# KiCad board mainboard.kicad_pcb
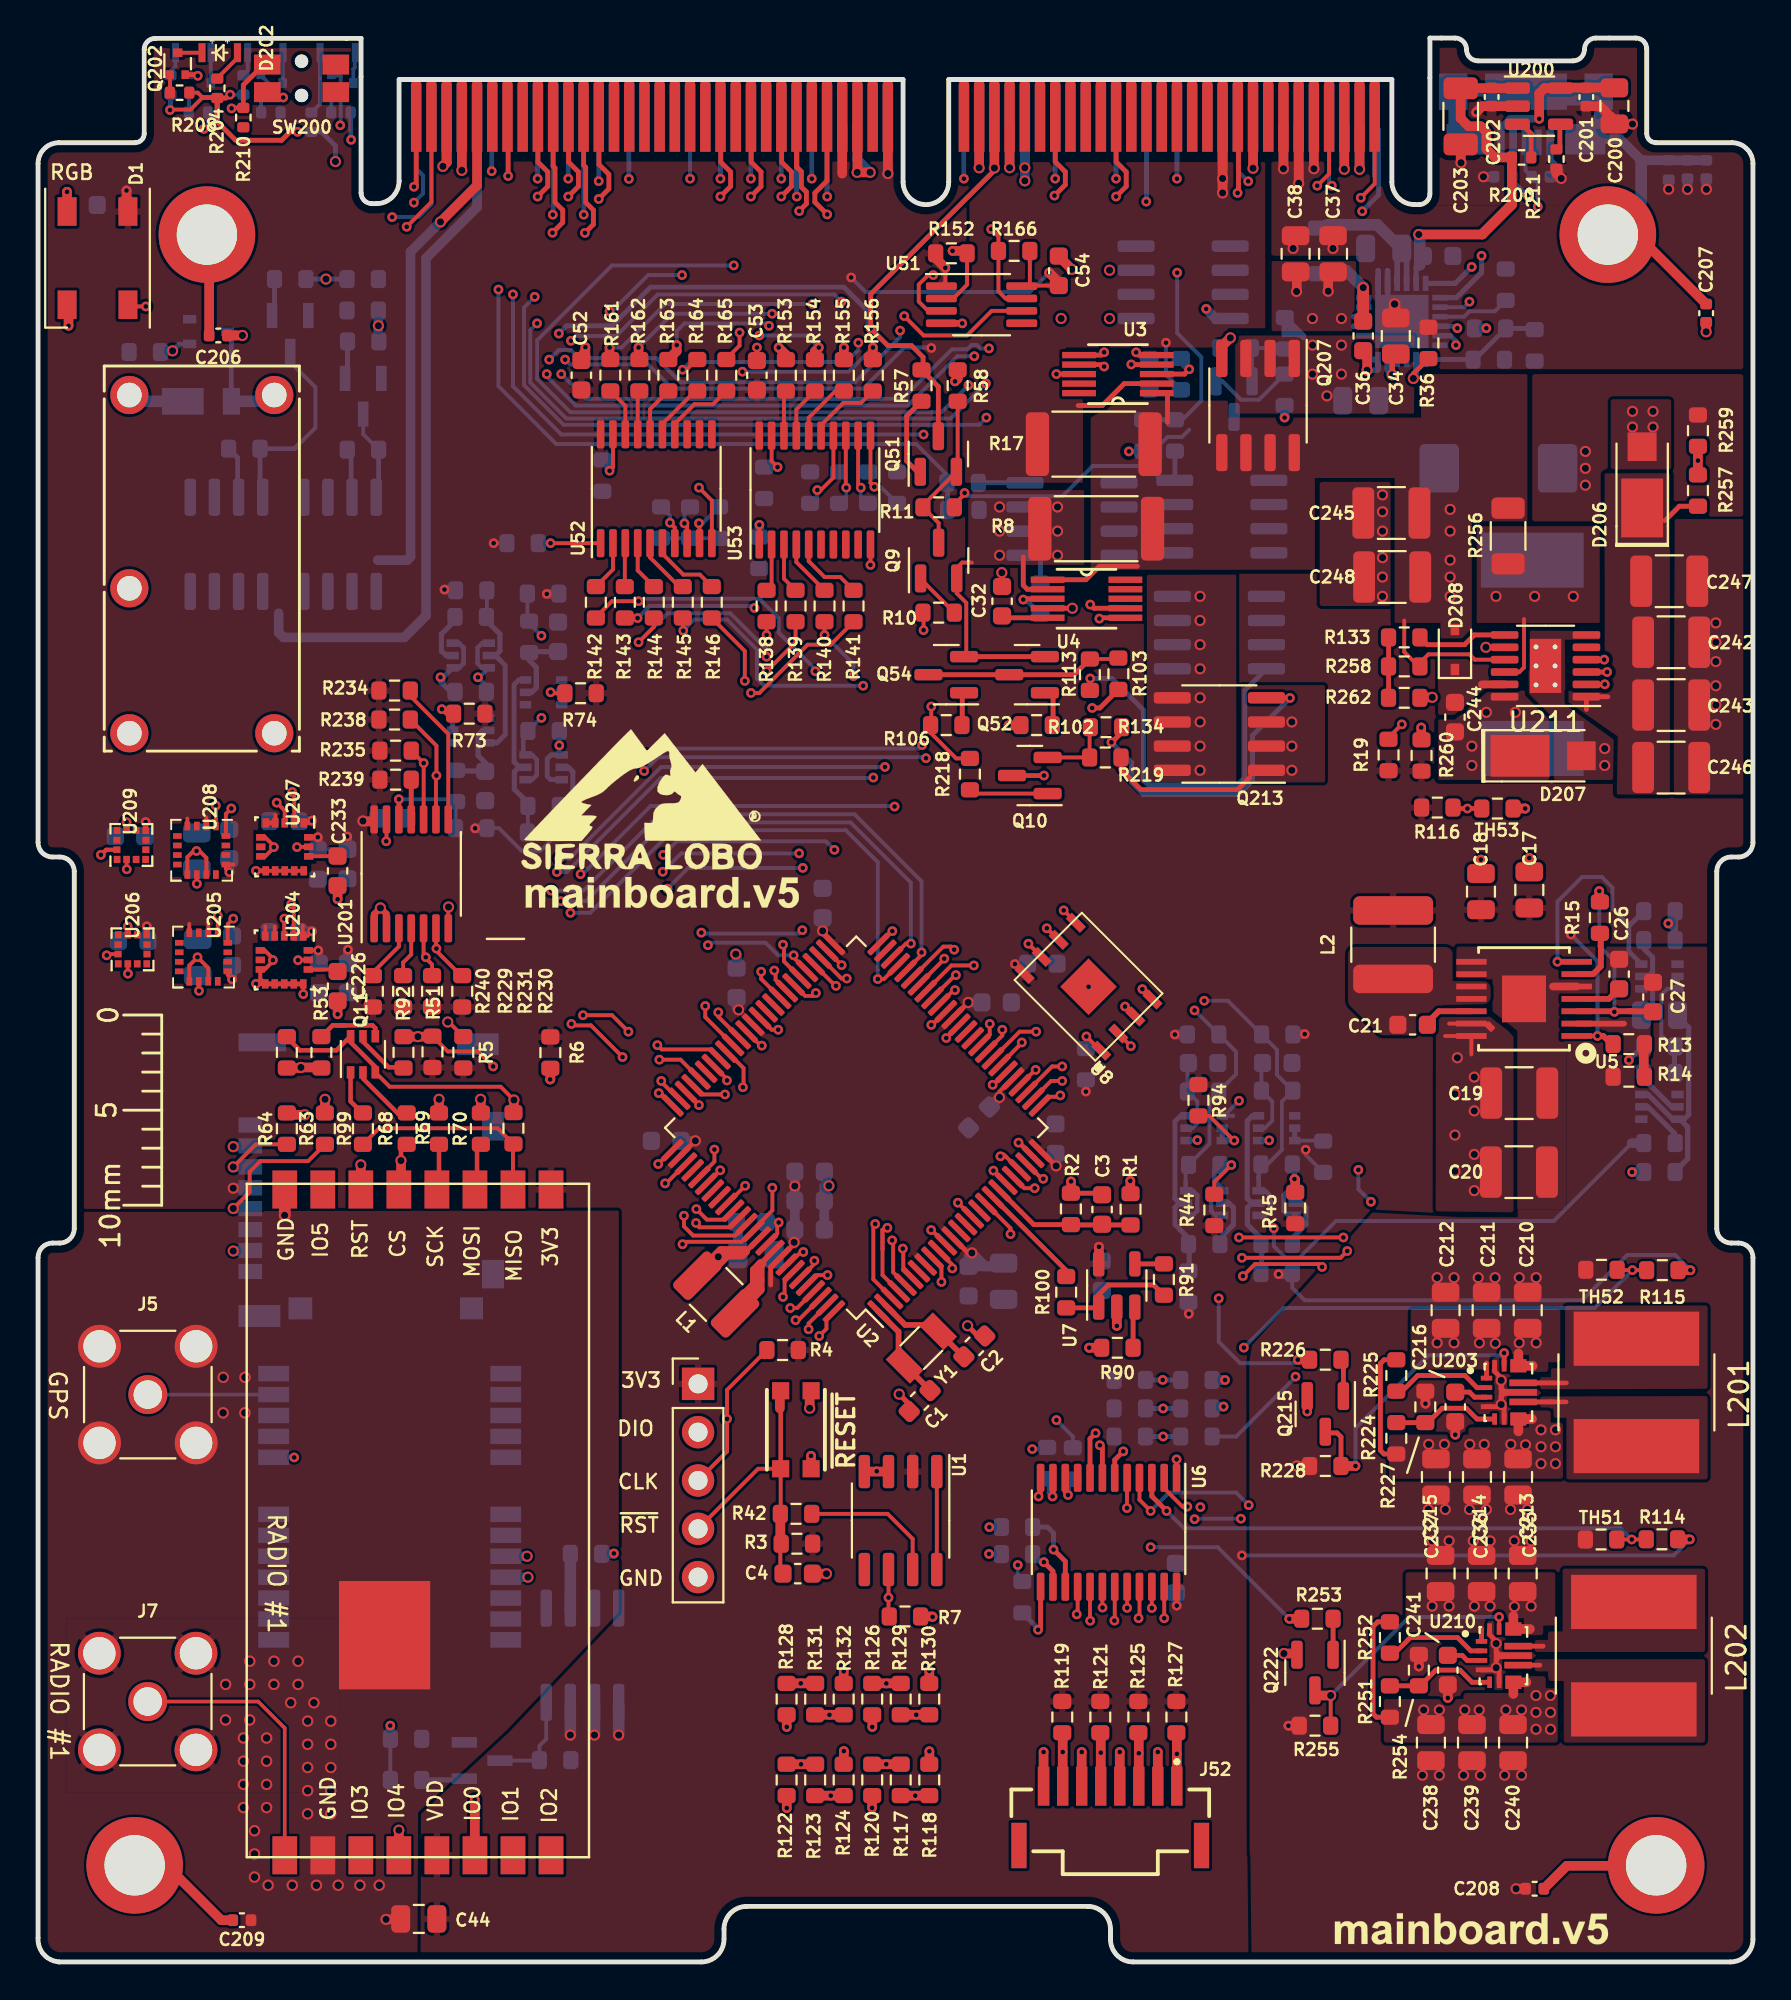
[diagram p0: board, top side]
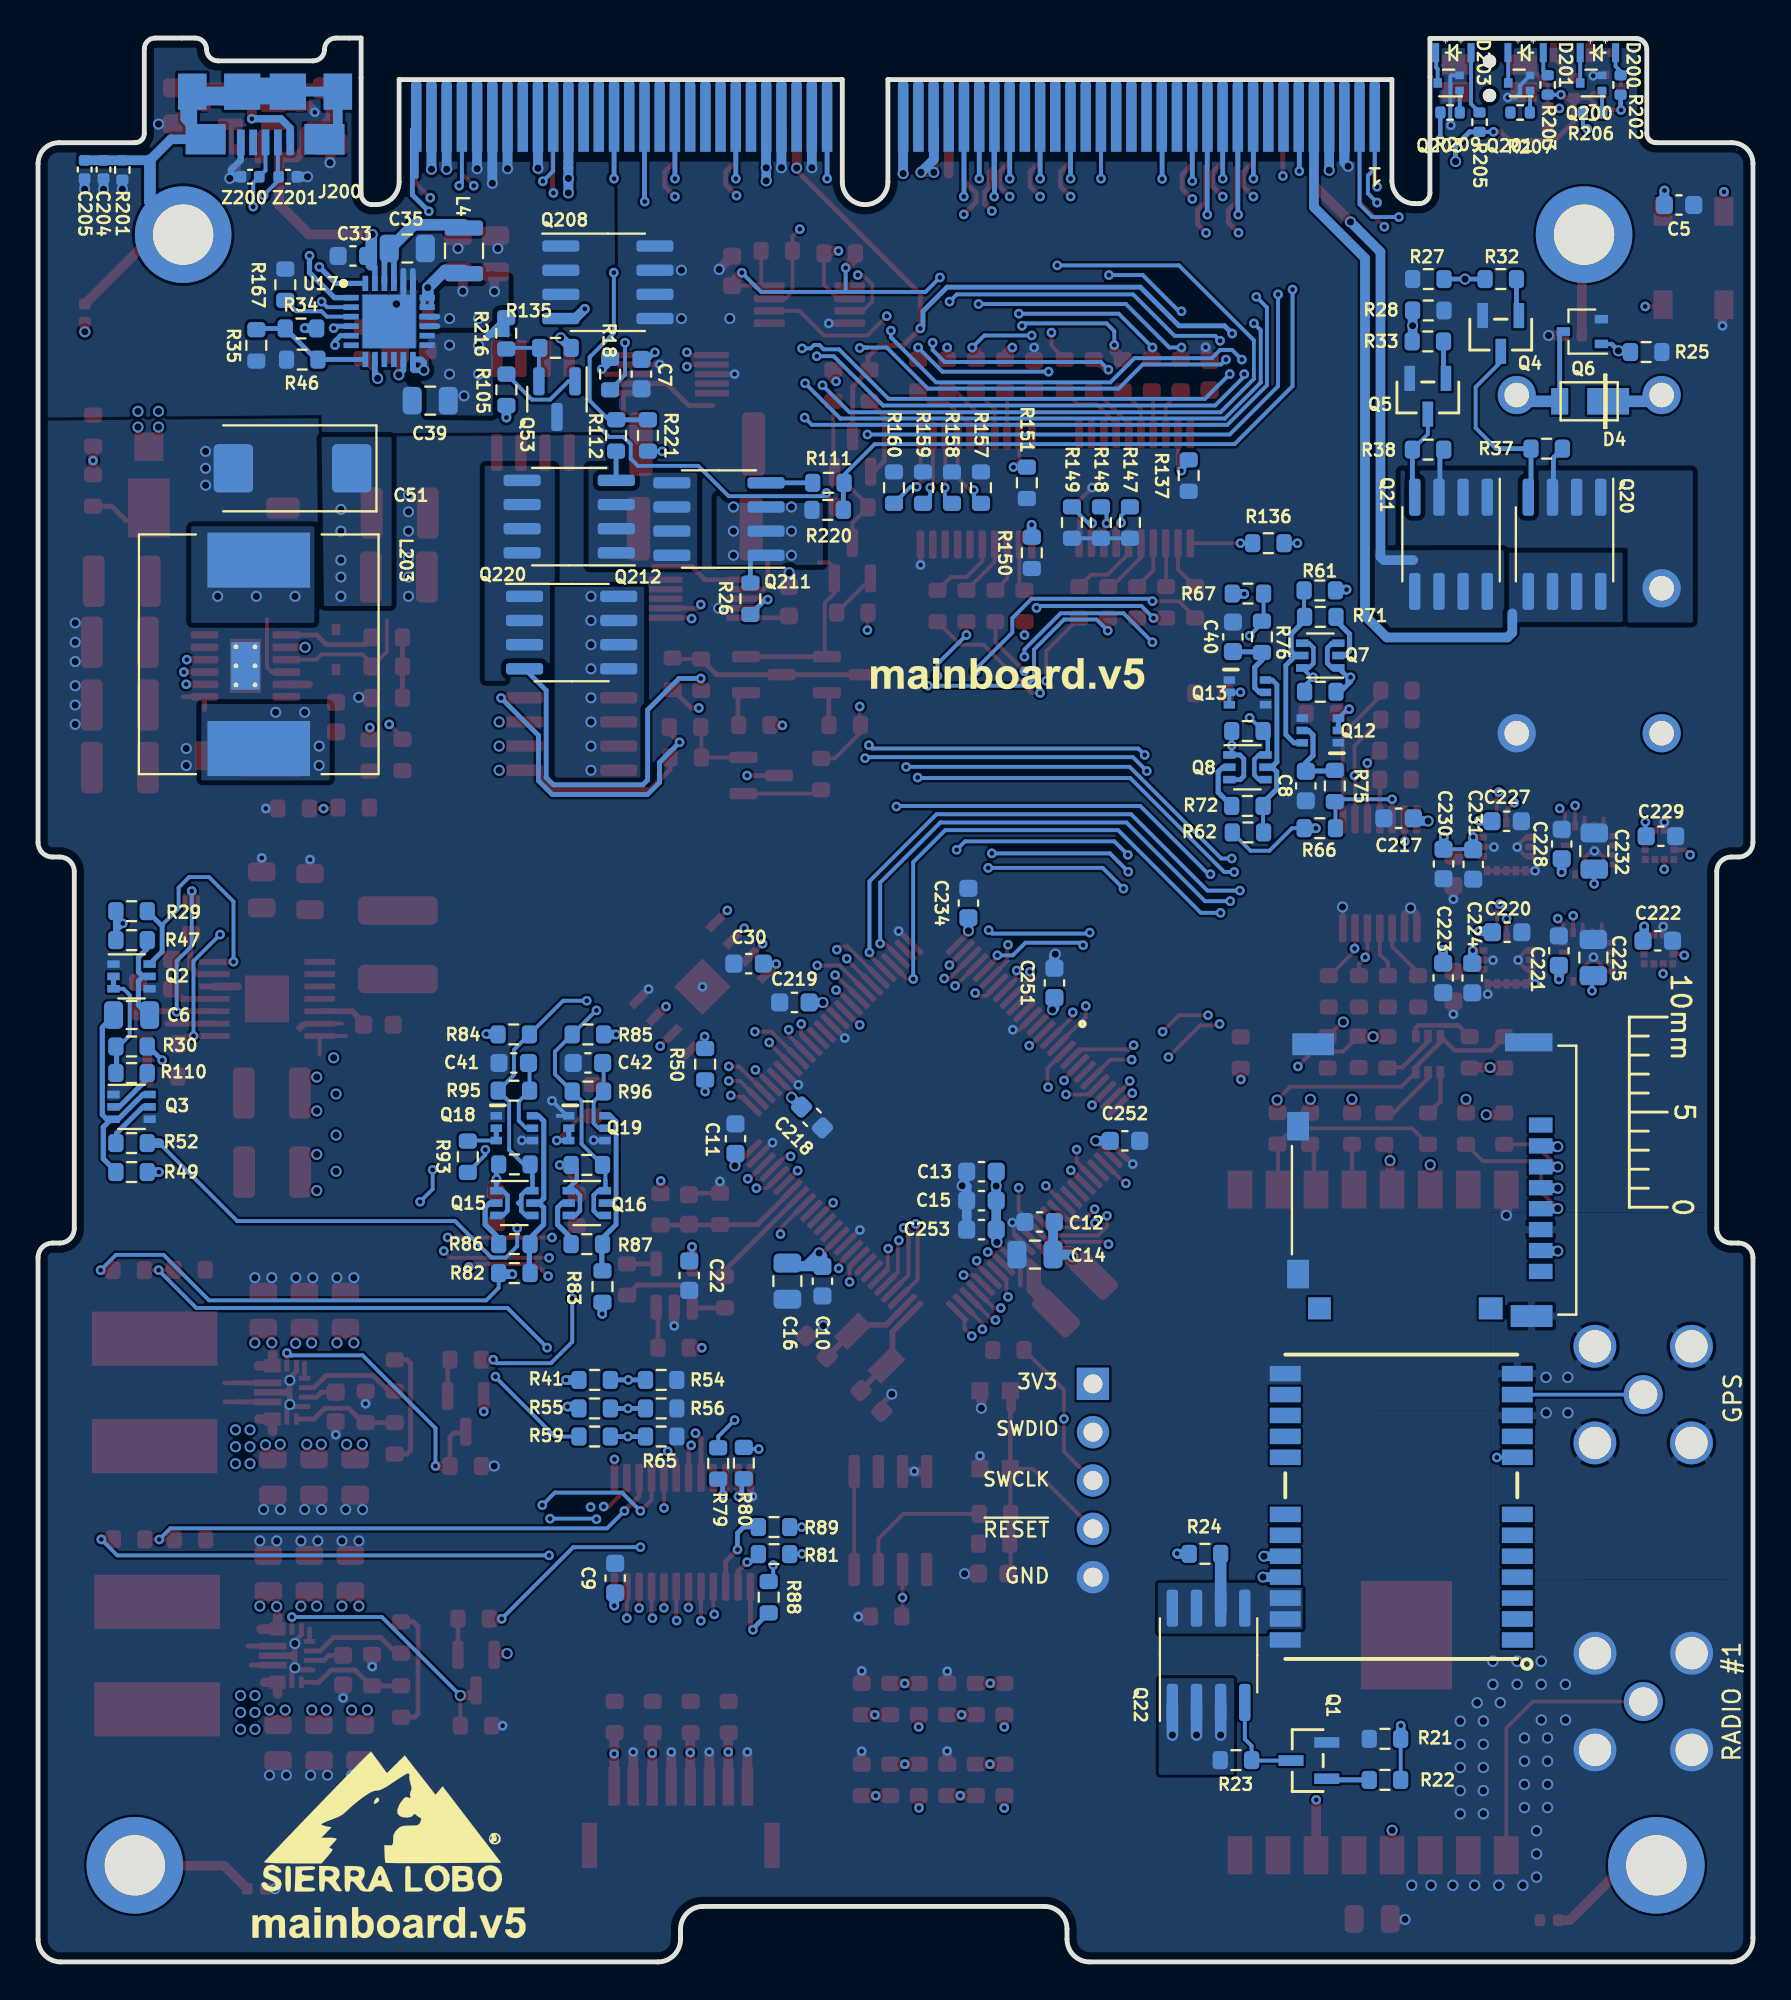
[diagram p1: board, bottom side, seen from below]

Outline 90.17 x 101.14 mm; copper layers: Top, In1.Cu, In2.Cu, In3.Cu, In4.Cu, Bottom. Coordinates in mm from the lower left corner of the outline.
Outline path: 0,94.54 arc(0.32,95.32) 1.1,95.64 5.1,95.64 arc(5.44,95.78) 5.58,96.13 5.58,100.55 arc(5.75,100.96) 6.16,101.13 16.98,101.13 16.98,99.11 16.98,93.01 arc(17.15,92.61) 17.56,92.44 17.78,92.44 arc(18.63,92.79) 18.98,93.64 18.98,98.96 45.48,98.96 45.48,93.59 arc(46.68,92.39) 47.88,93.59 47.88,98.96 71.18,98.96 71.18,93.59 arc(71.54,92.74) 72.38,92.39 72.61,92.39 arc(73.02,92.56) 73.18,92.96 73.18,99.06 73.18,101.14 74.51,101.14 arc(74.93,100.97) 75.11,100.54 arc(75.28,100.12) 75.71,99.94 80.71,99.94 arc(81.13,100.12) 81.31,100.54 arc(81.48,100.97) 81.91,101.14 84.02,101.14 arc(84.42,100.98) 84.58,100.58 84.58,96.13 arc(84.73,95.78) 85.07,95.64 89.07,95.64 arc(89.85,95.32) 90.17,94.54 90.17,58.85 arc(89.95,58.31) 89.41,58.09 89.03,58.09 arc(88.49,57.87) 88.27,57.33 88.27,38.56 arc(88.49,38.02) 89.03,37.8 89.41,37.8 arc(89.95,37.57) 90.17,37.03 90.17,1.19 arc(89.82,0.35) 88.98,0 57.58,0 arc(56.74,0.35) 56.39,1.19 56.39,1.73 arc(56.04,2.57) 55.19,2.92 37.26,2.92 arc(36.42,2.57) 36.07,1.73 36.07,1.19 arc(35.72,0.35) 34.87,0 1.12,0 arc(0.3,0.4) 0,1.27 0,37.03 arc(0.22,37.57) 0.76,37.8 1.14,37.8 arc(1.68,38.02) 1.9,38.56 1.9,57.33 arc(1.68,57.87) 1.14,58.09 0.76,58.09 arc(0.22,58.31) 0,58.85 0,94.54
Stack: Top 0.035mm / dielectric 0.274mm 2116 er 0 / In1.Cu 0.035mm / dielectric 0.274mm FR408-HR er 3.69 / In2.Cu 0.035mm / dielectric 0.274mm 2116 er 0 / In3.Cu 0.035mm / dielectric 0.274mm FR408-HR er 3.69 / In4.Cu 0.035mm / dielectric 0.274mm 2116 er 3.69 / Bottom 0.035mm

## Placement (name value [footprint] x y rotation side)
C1  8pF  [C_0603_1608Metric]  46.36 29.49 225 top
C2  8pF  [C_0603_1608Metric]  49.23 32.36 45 top
C3  0.1uF  [C_0603_1608Metric]  55.95 39.56 90 top
C4  1uF  [C_0603_1608Metric]  39.95 20.42 180 top
C5  0.1uF  [C_0603_1608Metric]  3.89 92.37 180 bottom
C6  10uF  [C_0805_2012Metric]  85.25 49.78 180 bottom
C7  3.3nF  [C_0603_1608Metric]  58.44 83.48 90 bottom
C8  10nF  [C_0603_1608Metric]  23.51 61.82 270 bottom
C9  0.1uF  [C_0603_1608Metric]  59.82 20.18 90 bottom
C10  0.1uF  [C_0603_1608Metric]  48.93 35.79 270 bottom
C11  0.1uF  [C_0603_1608Metric]  53.5 43.28 90 bottom
C12  1uF  [C_0603_1608Metric]  37.51 38.9 180 bottom
C13  1uF  [C_0603_1608Metric]  40.57 41.55 0 bottom
C14  10uF  [C_0805_2012Metric]  37.75 37.19 0 bottom
C15  1uF  [C_0603_1608Metric]  40.57 40.02 0 bottom
C16  10uF  [C_0805_2012Metric]  50.77 35.79 270 bottom
C17  22uF  [C_0805_2012Metric]  78.41 56.36 270 top
C18  22uF  [C_0805_2012Metric]  75.87 56.27 270 top
C19  100uF  [C_1210_3225Metric]  77.88 45.68 0 top
C20  100uF  [C_1210_3225Metric]  77.86 41.52 0 top
C21  0.1uF  [C_0603_1608Metric]  72.27 49.27 0 top
C22  0.1uF  [C_0603_1608Metric]  55.93 36.08 270 bottom
C26  3.3nF  [C_0603_1608Metric]  83.13 51.94 90 top
C27  1uF  [C_0603_1608Metric]  84.91 50.73 90 top
C30  0.1uF  [C_0603_1608Metric]  52.81 52.48 0 bottom
C32  3.3nF  [C_0603_1608Metric]  50.69 71.54 270 top
C33  1uF  [C_0603_1608Metric]  73.61 89.69 180 bottom
C34  4.7uF  [C_0805_2012Metric]  71.39 85.48 90 top
C35  10uF  [C_0805_2012Metric]  70.76 90.08 0 bottom
C36  47nF  [C_0603_1608Metric]  69.68 85.48 270 top
C37  22uF  [C_0805_2012Metric]  68.09 89.8 270 top
C38  22uF  [C_0805_2012Metric]  66.12 89.8 270 top
C39  10uF  [C_0805_2012Metric]  69.55 82.08 180 bottom
C40  10nF  [C_0603_1608Metric]  27.34 69.67 90 bottom
C41  10nF  [C_0603_1608Metric]  65.16 47.26 0 bottom
C42  10nF  [C_0603_1608Metric]  61.26 47.26 0 bottom
C44  10uF  [C_0805_2012Metric]  20.02 2.26 0 top
C51  100uF  [CP_EIA-7343-43_Kemet-X]  76.79 78.52 0 bottom
C52  0.1uF  [C_0603_1608Metric]  28.57 83.42 90 top
C53  0.1uF  [C_0603_1608Metric]  37.8 83.41 90 top
C54  0.01uF  [C_0603_1608Metric]  53.67 88.91 90 top
C200  10uF  [C_0805_2012Metric]  82.88 97.58 270 top
C201  0.1uF  [C_0402_1005Metric]  81.41 98.04 270 top
C202  0.1uF  [C_0402_1005Metric]  76.43 98.04 270 top
C203  47uF  [C_1206_3216Metric]  74.8 97.03 270 top
C204  0.1uF  [C_0402_1005Metric]  86.73 94.23 270 bottom
C205  1nF  [C_0402_1005Metric]  87.72 94.23 270 bottom
C206  0.1uF  [C_0402_1005Metric]  9.48 85.51 180 top
C207  0.1uF  [C_0402_1005Metric]  87.71 86.68 90 top
C208  0.1uF  [C_0402_1005Metric]  78.69 3.85 0 top
C209  0.1uF  [C_0402_1005Metric]  10.72 2.2 180 top
C210  10uF  [C_0805_2012Metric]  78.33 34.26 90 top
C211  10uF  [C_0805_2012Metric]  76.17 34.26 90 top
C212  10uF  [C_0805_2012Metric]  74.01 34.26 90 top
C213  22uF  [C_0805_2012Metric]  77.82 25.5 270 top
C214  22uF  [C_0805_2012Metric]  75.66 25.5 270 top
C215  22uF  [C_0805_2012Metric]  73.5 25.5 270 top
C216  0.1uF  [C_0603_1608Metric]  74.52 29.18 90 top
C217  0.1uF  [C_0603_1608Metric]  18.63 60.13 0 bottom
C218  0.1uF  [C_0603_1608Metric]  49.47 44.4 225 bottom
C219  0.1uF  [C_0603_1608Metric]  50.4 50.44 0 bottom
C220  10nF  [C_0603_1608Metric]  12.92 54.13 180 bottom
C221  1uF  [C_0603_1608Metric]  10.21 53.17 90 bottom
C222  1uF  [C_0603_1608Metric]  5.01 53.69 180 bottom
C223  2.2uF  [C_0603_1608Metric]  16.29 51.73 270 bottom
C224  0.1uF  [C_0603_1608Metric]  14.76 51.73 270 bottom
C225  10uF  [C_0805_2012Metric]  8.39 52.8 90 bottom
C226  0.47uF  [C_0603_1608Metric]  15.75 51.3 270 top
C227  10nF  [C_0603_1608Metric]  12.95 59.97 180 bottom
C228  1uF  [C_0603_1608Metric]  10.06 58.77 90 bottom
C229  1uF  [C_0603_1608Metric]  4.84 59.18 180 bottom
C230  2.2uF  [C_0603_1608Metric]  16.27 57.72 270 bottom
C231  0.1uF  [C_0603_1608Metric]  14.71 57.7 270 bottom
C232  10uF  [C_0805_2012Metric]  8.34 58.41 90 bottom
C233  0.47uF  [C_0603_1608Metric]  15.75 57.36 270 top
C234  0.1uF  [C_0603_1608Metric]  41.25 55.67 90 bottom
C235  10uF  [C_0805_2012Metric]  78.06 20.42 90 top
C236  10uF  [C_0805_2012Metric]  75.9 20.42 90 top
C237  10uF  [C_0805_2012Metric]  73.75 20.42 90 top
C238  22uF  [C_0805_2012Metric]  73.24 11.53 270 top
C239  22uF  [C_0805_2012Metric]  75.4 11.53 270 top
C240  22uF  [C_0805_2012Metric]  77.56 11.53 270 top
C241  0.1uF  [C_0603_1608Metric]  74.13 15.34 90 top
C242  10uF  [C_1210_3225Metric]  85.87 69.38 0 top
C243  10uF  [C_1210_3225Metric]  85.87 66.08 0 top
C244  1uF  [C_0603_1608Metric]  74.5 65.44 90 top
C245  10uF  [C_1210_3225Metric]  71.16 76.17 180 top
C246  10uF  [C_1210_3225Metric]  85.87 62.79 0 top
C247  10uF  [C_1210_3225Metric]  85.77 72.59 0 top
C248  10uF  [C_1210_3225Metric]  71.2 72.81 180 top
C251  0.1uF  [C_0603_1608Metric]  36.73 51.47 90 bottom
C252  0.1uF  [C_0603_1608Metric]  33.02 43.17 180 bottom
C253  0.1uF  [C_0603_1608Metric]  40.57 38.5 0 bottom
D1  WS2812B  [LED_WS2812B_PLCC4_5.0x5.0mm_P3.2mm]  3.13 89.57 270 top
D4  DFLS130L  [PWRDI-123]  8.71 82.05 0 bottom
D200  RED  [APA2107x]  8.15 100.38 270 bottom
D201  YELLOW  [APA2107x]  11.95 100.38 270 bottom
D202  GREEN  [APA2107x]  9.55 100.38 270 top
D203  ORANGE  [APA2107x]  15.75 100.38 270 bottom
D206  V4PAL45HM3_A/I  [SMPA]  84.34 77.65 90 top
D207  V4PAL45HM3_A/I  [SMPA]  79.14 63.41 0 top
D208  1N4148WSTR  [D_SOD-323]  74.5 69 90 top
G***  LOGO  [sierra_logo]  31.7 61.13 0 top
G***#2  LOGO  [sierra_logo]  72.14 7.38 180 bottom
H200  MountingHole_Pad  [125mil_hole]  8.88 90.81 90 top
H201  SLI-Backplane-Blank-Card-KiCad:125mil_hole  [125mil_hole]  82.54 90.81 0 top
H202  SLI-Backplane-Blank-Card-KiCad:125mil_hole  [125mil_hole]  85.08 5.08 0 top
H203  SLI-Backplane-Blank-Card-KiCad:125mil_hole  [125mil_hole]  5.08 5.08 0 top
J1  503182-1852  [MOLEX_503182-1852]  17.52 41.1 270 bottom
J2  Conn_01x05  [PinHeader_1x05_P2.54mm_Vertical]  34.7 30.39 0 top
J5  Amphenol_901-144  [SMA_Amphenol_901-144_Vertical]  5.77 29.83 0 top
J7  Amphenol_901-144  [SMA_Amphenol_901-144_Vertical]  5.76 13.69 0 top
J52  T1M-08-F-SV-L  [SAMTEC_T1M-08-F-SV-L]  56.38 6.84 180 top
J200  -  [ZX62-AB-5PA(31)]  78.23 101.13 0 bottom
L1  10uH  [L_1210_3225Metric]  35.66 35.09 135 top
L2  3.3uH  [L_2141]  71.25 53.48 90 top
L4  1uH  [L_2510]  67.77 89.95 270 bottom
L201  1.5uH  [L_Bourns_SRN8040TA]  84.04 29.94 270 top
L202  1.5uH  [L_Bourns_SRN8040TA]  83.91 16.1 270 top
L203  22uH  [L_Wuerth_WE-PD-1260]  78.56 68.75 270 bottom
P1  Card Edge for HSEC8-160-01-S-DV-A-K-TR  [HSEC8-160-CARD-EDGE]  45.48 98.96 0 top
Q1  DMN100-7-F  [SOT-23#2]  23.41 10.59 90 bottom
Q2  MMDT5551-7-F  [SOT-363_SC-70-6]  85.25 51.81 180 bottom
Q3  MMDT5551-7-F  [SOT-363_SC-70-6]  85.25 44.95 180 bottom
Q4  DMN100-7-F  [SOT-23#2]  13.26 85.55 0 bottom
Q5  DMN100-7-F  [SOT-23#2]  17.1 82.25 0 bottom
Q6  SMMBT2222AWT1G  [SOT-323_SC-70]  8.97 85.71 0 bottom
Q7  MMDT5551-7-F  [SOT-363_SC-70-6]  22.75 68.68 0 bottom
Q8  MMDT5551-7-F  [SOT-363_SC-70-6]  26.58 62.81 180 bottom
Q9  MMBT3906-7-F  [SOT-23]  47.35 73.67 90 top
Q10  MMBT3906-7-F  [SOT-23]  52.15 62.37 180 top
Q11  MMDT2907AQ-7-F  [SOT-363_SC-70-6]  17.08 47.72 90 top
Q12  -  [BSS138DWQ-7]  22.75 64.74 0 bottom
Q13  -  [BSS138DWQ-7]  26.58 66.74 180 bottom
Q15  MMDT5551-7-F  [SOT-363_SC-70-6]  65.12 39.9 180 bottom
Q16  MMDT5551-7-F  [SOT-363_SC-70-6]  61.31 39.9 180 bottom
Q18  -  [BSS138DWQ-7]  65.12 43.83 180 bottom
Q19  -  [BSS138DWQ-7]  61.31 43.83 180 bottom
Q20  IRF7404TRPBF  [SOIC-8_3.9x4.9mm_P1.27mm]  9.91 74.53 270 bottom
Q21  IRF7404TRPBF  [SOIC-8_3.9x4.9mm_P1.27mm]  15.88 74.53 270 bottom
Q22  IRF7404TRPBF  [SOIC-8_3.9x4.9mm_P1.27mm]  28.62 16.12 90 bottom
Q51  MMBT4401-7-F  [SOT-23]  47.34 79.28 90 top
Q52  MMBT3906-7-F  [SOT-23]  52 67.67 180 top
Q53  MMBT3906-7-F  [SOT-23]  62.89 82.16 270 bottom
Q54  MMBT3906-7-F  [SOT-23]  47.75 67.67 180 top
Q200  BC847BM3T5G  [SOT-723]  8.51 98.78 0 bottom
Q201  BC847BM3T5G  [SOT-723]  12.29 98.78 0 bottom
Q202  BC847BM3T5G  [SOT-723]  7.34 99.8 90 top
Q203  BC847BM3T5G  [SOT-723]  16 98.78 0 bottom
Q207  IRF7404  [SOIC-8_3.9x4.9mm_P1.27mm]  64.15 81.83 270 top
Q208  IRF7458  [SOIC-8_3.9x4.9mm_P1.27mm]  60.21 88.3 180 bottom
Q211  IRF7404  [SOIC-8_3.9x4.9mm_P1.27mm]  54.37 75.86 0 bottom
Q212  IRF7404  [SOIC-8_3.9x4.9mm_P1.27mm]  62.24 75.98 0 bottom
Q213  IRF7404  [SOIC-8_3.9x4.9mm_P1.27mm]  62.11 64.55 180 top
Q215  MMBT3906-7-F  [SOT-23]  67.68 28.81 270 top
Q220  IRF7404  [SOIC-8_3.9x4.9mm_P1.27mm]  62.11 69.89 180 bottom
Q222  MMBT3906-7-F  [SOT-23]  67.14 15.21 270 top
R1  316k  [R_0603_1608Metric]  57.44 39.57 270 top
R2  110k  [R_0603_1608Metric]  54.31 39.59 270 top
R3  10k  [R_0603_1608Metric]  39.9 21.99 180 top
R4  10k  [R_0603_1608Metric]  39.15 32.17 180 top
R5  10k  [R_0603_1608Metric]  22.36 47.82 90 top
R6  100k  [R_0603_1608Metric]  26.94 47.81 270 top
R7  10k  [R_0603_1608Metric]  45.58 18.16 0 top
R8  0.1  [R_2512_6332Metric]  55.64 75.35 0 top
R10  100k  [R_0603_1608Metric]  47.35 70.94 180 top
R11  1Meg  [R_0603_1608Metric]  47.35 76.47 0 top
R13  73.2k  [R_0603_1608Metric]  83.64 48.25 180 top
R14  22.1k  [R_0603_1608Metric]  83.64 46.54 0 top
R15  100k  [R_0603_1608Metric]  82.12 54.9 90 top
R17  0.1  [R_2512_6332Metric]  55.51 79.79 0 top
R18  1k  [R_0603_1608Metric]  60.09 83.48 90 bottom
R19  100k  [R_0603_1608Metric]  71.01 63.45 90 top
R21  10k  [R_0603_1608Metric]  19.35 11.73 0 bottom
R22  4.7k  [R_0603_1608Metric]  19.35 9.57 0 bottom
R23  3.3k  [R_0603_1608Metric]  27.19 10.61 180 bottom
R24  10k  [R_0603_1608Metric]  28.81 21.46 180 bottom
R25  10k  [R_0603_1608Metric]  5.61 84.64 180 bottom
R26  1k  [R_0603_1608Metric]  52.72 71.67 270 bottom
R27  10k  [R_0603_1608Metric]  17.07 88.47 0 bottom
R28  10k  [R_0603_1608Metric]  17.07 86.82 180 bottom
R29  73.2k  [R_0603_1608Metric]  85.25 55.24 180 bottom
R30  100k  [R_0603_1608Metric]  85.25 48.13 0 bottom
R32  4.7k  [R_0603_1608Metric]  13.26 88.47 0 bottom
R33  4.7k  [R_0603_1608Metric]  17.1 85.2 0 bottom
R34  5.23k  [R_0603_1608Metric]  76.34 85.88 0 bottom
R35  30.1k  [R_0603_1608Metric]  78.69 84.99 90 bottom
R36  3.16k  [R_0603_1608Metric]  73.11 85.12 270 top
R37  100k  [R_0603_1608Metric]  10.85 79.56 180 bottom
R38  100k  [R_0603_1608Metric]  17.08 79.51 180 bottom
R41  100k  [R_0603_1608Metric]  60.9 30.6 180 bottom
R42  10k  [R_0603_1608Metric]  39.86 23.56 0 top
R44  10k  [R_0603_1608Metric]  61.85 39.53 90 top
R45  10k  [R_0603_1608Metric]  66.1 39.64 90 top
R46  10k  [R_0603_1608Metric]  76.28 84.24 180 bottom
R47  200k  [R_0603_1608Metric]  85.25 53.72 180 bottom
R49  100k  [R_0603_1608Metric]  85.25 41.53 0 bottom
R50  10k  [R_0603_1608Metric]  55.09 47.2 270 bottom
R51  10k  [R_0603_1608Metric]  20.74 47.85 270 top
R52  10k  [R_0603_1608Metric]  85.25 43.05 180 bottom
R53  0  [R_0603_1608Metric]  14.9 47.82 270 top
R54  100k  [R_0603_1608Metric]  57.4 30.6 180 bottom
R55  100k  [R_0603_1608Metric]  60.9 29.1 180 bottom
R56  100k  [R_0603_1608Metric]  57.4 29.1 180 bottom
R57  10k  [R_0603_1608Metric]  46.45 82.87 90 top
R58  100  [R_0603_1608Metric]  48.35 82.87 90 top
R59  100k  [R_0603_1608Metric]  60.9 27.62 180 bottom
R61  10k  [R_0603_1608Metric]  22.78 72.11 0 bottom
R62  10k  [R_0603_1608Metric]  26.55 59.38 180 bottom
R63  1k  [R_0603_1608Metric]  15.08 43.81 90 top
R64  1k  [R_0603_1608Metric]  13.08 43.81 90 top
R65  10k  [R_0603_1608Metric]  57.4 27.62 180 bottom
R66  10k  [R_0603_1608Metric]  22.77 59.6 180 bottom
R67  10k  [R_0603_1608Metric]  26.55 71.94 180 bottom
R68  4.7k  [R_0603_1608Metric]  19.38 43.81 270 top
R69  1k  [R_0603_1608Metric]  21.08 43.81 90 top
R70  1k  [R_0603_1608Metric]  23.28 43.81 270 top
R71  680  [R_0603_1608Metric]  22.75 70.71 0 bottom
R72  680  [R_0603_1608Metric]  26.58 60.78 180 bottom
R73  100k  [R_0603_1608Metric]  22.67 65.63 180 top
R74  100k  [R_0603_1608Metric]  28.52 66.7 180 top
R75  200k  [R_0603_1608Metric]  21.99 61.82 90 bottom
R76  200k  [R_0603_1608Metric]  25.82 69.67 270 bottom
R79  100  [R_0603_1608Metric]  54.41 26.21 270 bottom
R80  100  [R_0603_1608Metric]  53.06 26.23 270 bottom
R81  100  [R_0603_1608Metric]  51.47 21.44 0 bottom
R82  10k  [R_0603_1608Metric]  65.12 36.21 180 bottom
R83  10k  [R_0603_1608Metric]  60.49 35.51 90 bottom
R84  10k  [R_0603_1608Metric]  65.16 48.76 180 bottom
R85  10k  [R_0603_1608Metric]  61.26 48.76 0 bottom
R86  680  [R_0603_1608Metric]  65.12 37.74 180 bottom
R87  680  [R_0603_1608Metric]  61.31 37.74 180 bottom
R88  100  [R_0603_1608Metric]  51.75 19.17 270 bottom
R89  100  [R_0603_1608Metric]  51.47 22.86 0 bottom
R90  100k  [R_0603_1608Metric]  56.75 32.29 0 top
R91  100k  [R_0603_1608Metric]  59.2 35.88 270 top
R92  4.7k  [R_0603_1608Metric]  19.21 47.82 90 top
R93  100k  [R_0603_1608Metric]  67.57 42.33 90 bottom
R94  100k  [R_0603_1608Metric]  61.01 45.3 270 top
R95  200k  [R_0603_1608Metric]  65.15 45.81 180 bottom
R96  200k  [R_0603_1608Metric]  61.26 45.76 180 bottom
R97  0  [R_0603_1608Metric]  22.75 66.78 180 bottom
R98  0  [R_0603_1608Metric]  26.58 64.71 0 bottom
R99  0  [R_0603_1608Metric]  17.08 43.81 270 top
R100  100  [R_0603_1608Metric]  54.06 35.21 90 top
R101  0  [R_0603_1608Metric]  25 43.83 90 top
R102  100k  [R_0603_1608Metric]  52.5 65.02 180 top
R103  1Meg  [R_0603_1608Metric]  56.8 67.72 270 top
R104  0  [R_0603_1608Metric]  13.08 47.82 90 top
R105  10k  [R_0603_1608Metric]  65.54 82.65 270 bottom
R106  100k  [R_0603_1608Metric]  47.75 65.02 180 top
R108  0  [R_0603_1608Metric]  65.12 41.93 0 bottom
R109  0  [R_0603_1608Metric]  61.31 41.9 0 bottom
R110  20k  [R_0603_1608Metric]  85.25 46.73 0 bottom
R111  100  [R_0603_1608Metric]  48.61 77.76 0 bottom
R112  100  [R_0603_1608Metric]  59.78 80.25 270 bottom
R113  100  [R_0603_1608Metric]  55.3 67.67 270 top
R114  10k  [R_0603_1608Metric]  85.38 22.22 180 top
R115  10k  [R_0603_1608Metric]  85.4 36.37 180 top
R116  10k  [R_0603_1608Metric]  73.57 60.69 0 top
R117  100k  [R_0603_1608Metric]  45.36 9.57 270 top
R118  100k  [R_0603_1608Metric]  46.86 9.57 90 top
R119  10k  [R_0603_1608Metric]  53.85 12.87 270 top
R120  1k  [R_0603_1608Metric]  43.86 9.57 90 top
R121  10k  [R_0603_1608Metric]  55.85 12.87 270 top
R122  1k  [R_0603_1608Metric]  39.36 9.57 90 top
R123  100k  [R_0603_1608Metric]  40.86 9.57 270 top
R124  100k  [R_0603_1608Metric]  42.36 9.57 90 top
R125  10k  [R_0603_1608Metric]  57.85 12.87 270 top
R126  1k  [R_0603_1608Metric]  43.86 13.82 90 top
R127  10k  [R_0603_1608Metric]  59.85 12.87 270 top
R128  1k  [R_0603_1608Metric]  39.36 13.82 90 top
R129  100k  [R_0603_1608Metric]  45.36 13.82 270 top
R130  100k  [R_0603_1608Metric]  46.86 13.82 90 top
R131  100k  [R_0603_1608Metric]  40.86 13.82 270 top
R132  100k  [R_0603_1608Metric]  42.36 13.82 90 top
R133  412k  [R_0603_1608Metric]  71.83 69.63 180 top
R134  100  [R_0603_1608Metric]  56.15 64.91 0 top
R135  100  [R_0603_1608Metric]  62.97 84.86 180 bottom
R136  330  [R_0603_1608Metric]  25.48 74.59 0 bottom
R137  330  [R_0603_1608Metric]  29.67 78.14 90 bottom
R138  330  [R_0603_1608Metric]  38.31 71.29 90 top
R139  330  [R_0603_1608Metric]  39.83 71.29 90 top
R140  330  [R_0603_1608Metric]  41.35 71.29 90 top
R141  330  [R_0603_1608Metric]  42.88 71.29 90 top
R142  330  [R_0603_1608Metric]  29.33 71.48 90 top
R143  330  [R_0603_1608Metric]  30.85 71.48 90 top
R144  330  [R_0603_1608Metric]  32.38 71.48 90 top
R145  330  [R_0603_1608Metric]  33.9 71.48 90 top
R146  330  [R_0603_1608Metric]  35.43 71.48 90 top
R147  330  [R_0603_1608Metric]  32.76 75.67 90 bottom
R148  330  [R_0603_1608Metric]  34.28 75.67 90 bottom
R149  330  [R_0603_1608Metric]  35.81 75.67 90 bottom
R150  330  [R_0603_1608Metric]  37.92 74.08 90 bottom
R151  330  [R_0603_1608Metric]  38.18 77.76 90 bottom
R152  2.7k  [R_0603_1608Metric]  48.02 89.83 0 top
R153  330  [R_0603_1608Metric]  39.32 83.41 90 top
R154  330  [R_0603_1608Metric]  40.85 83.41 90 top
R155  330  [R_0603_1608Metric]  42.37 83.41 90 top
R156  330  [R_0603_1608Metric]  43.89 83.41 90 top
R157  330  [R_0603_1608Metric]  40.59 77.51 90 bottom
R158  330  [R_0603_1608Metric]  42.12 77.51 90 bottom
R159  330  [R_0603_1608Metric]  43.64 77.51 90 bottom
R160  330  [R_0603_1608Metric]  45.16 77.51 90 bottom
R161  330  [R_0603_1608Metric]  30.09 83.42 90 top
R162  330  [R_0603_1608Metric]  31.62 83.42 90 top
R163  330  [R_0603_1608Metric]  33.14 83.42 90 top
R164  330  [R_0603_1608Metric]  34.66 83.42 90 top
R165  330  [R_0603_1608Metric]  36.19 83.42 90 top
R166  2.7k  [R_0603_1608Metric]  51.32 89.95 180 top
R167  100k  [R_0603_1608Metric]  77.17 88.18 90 bottom
R200  10k  [R_0402_1005Metric]  78 94.87 0 top
R201  1Meg  [R_0402_1005Metric]  85.74 94.21 270 bottom
R202  1.5k  [R_0402_1005Metric]  6.96 98.68 90 bottom
R203  1.5k  [R_0402_1005Metric]  10.79 98.68 90 bottom